# Altium PCB PCB1.PcbDoc (part 2 of 2)
Units mil, origin at the board's own origin, x right, y up, seen from the top; angles counter-clockwise.
Board outline 3937.01 x 3543.31 mil, 2 copper layers (Top Layer, Bottom Layer); 171 components, 150 nets, 633 pads, 245 vias.
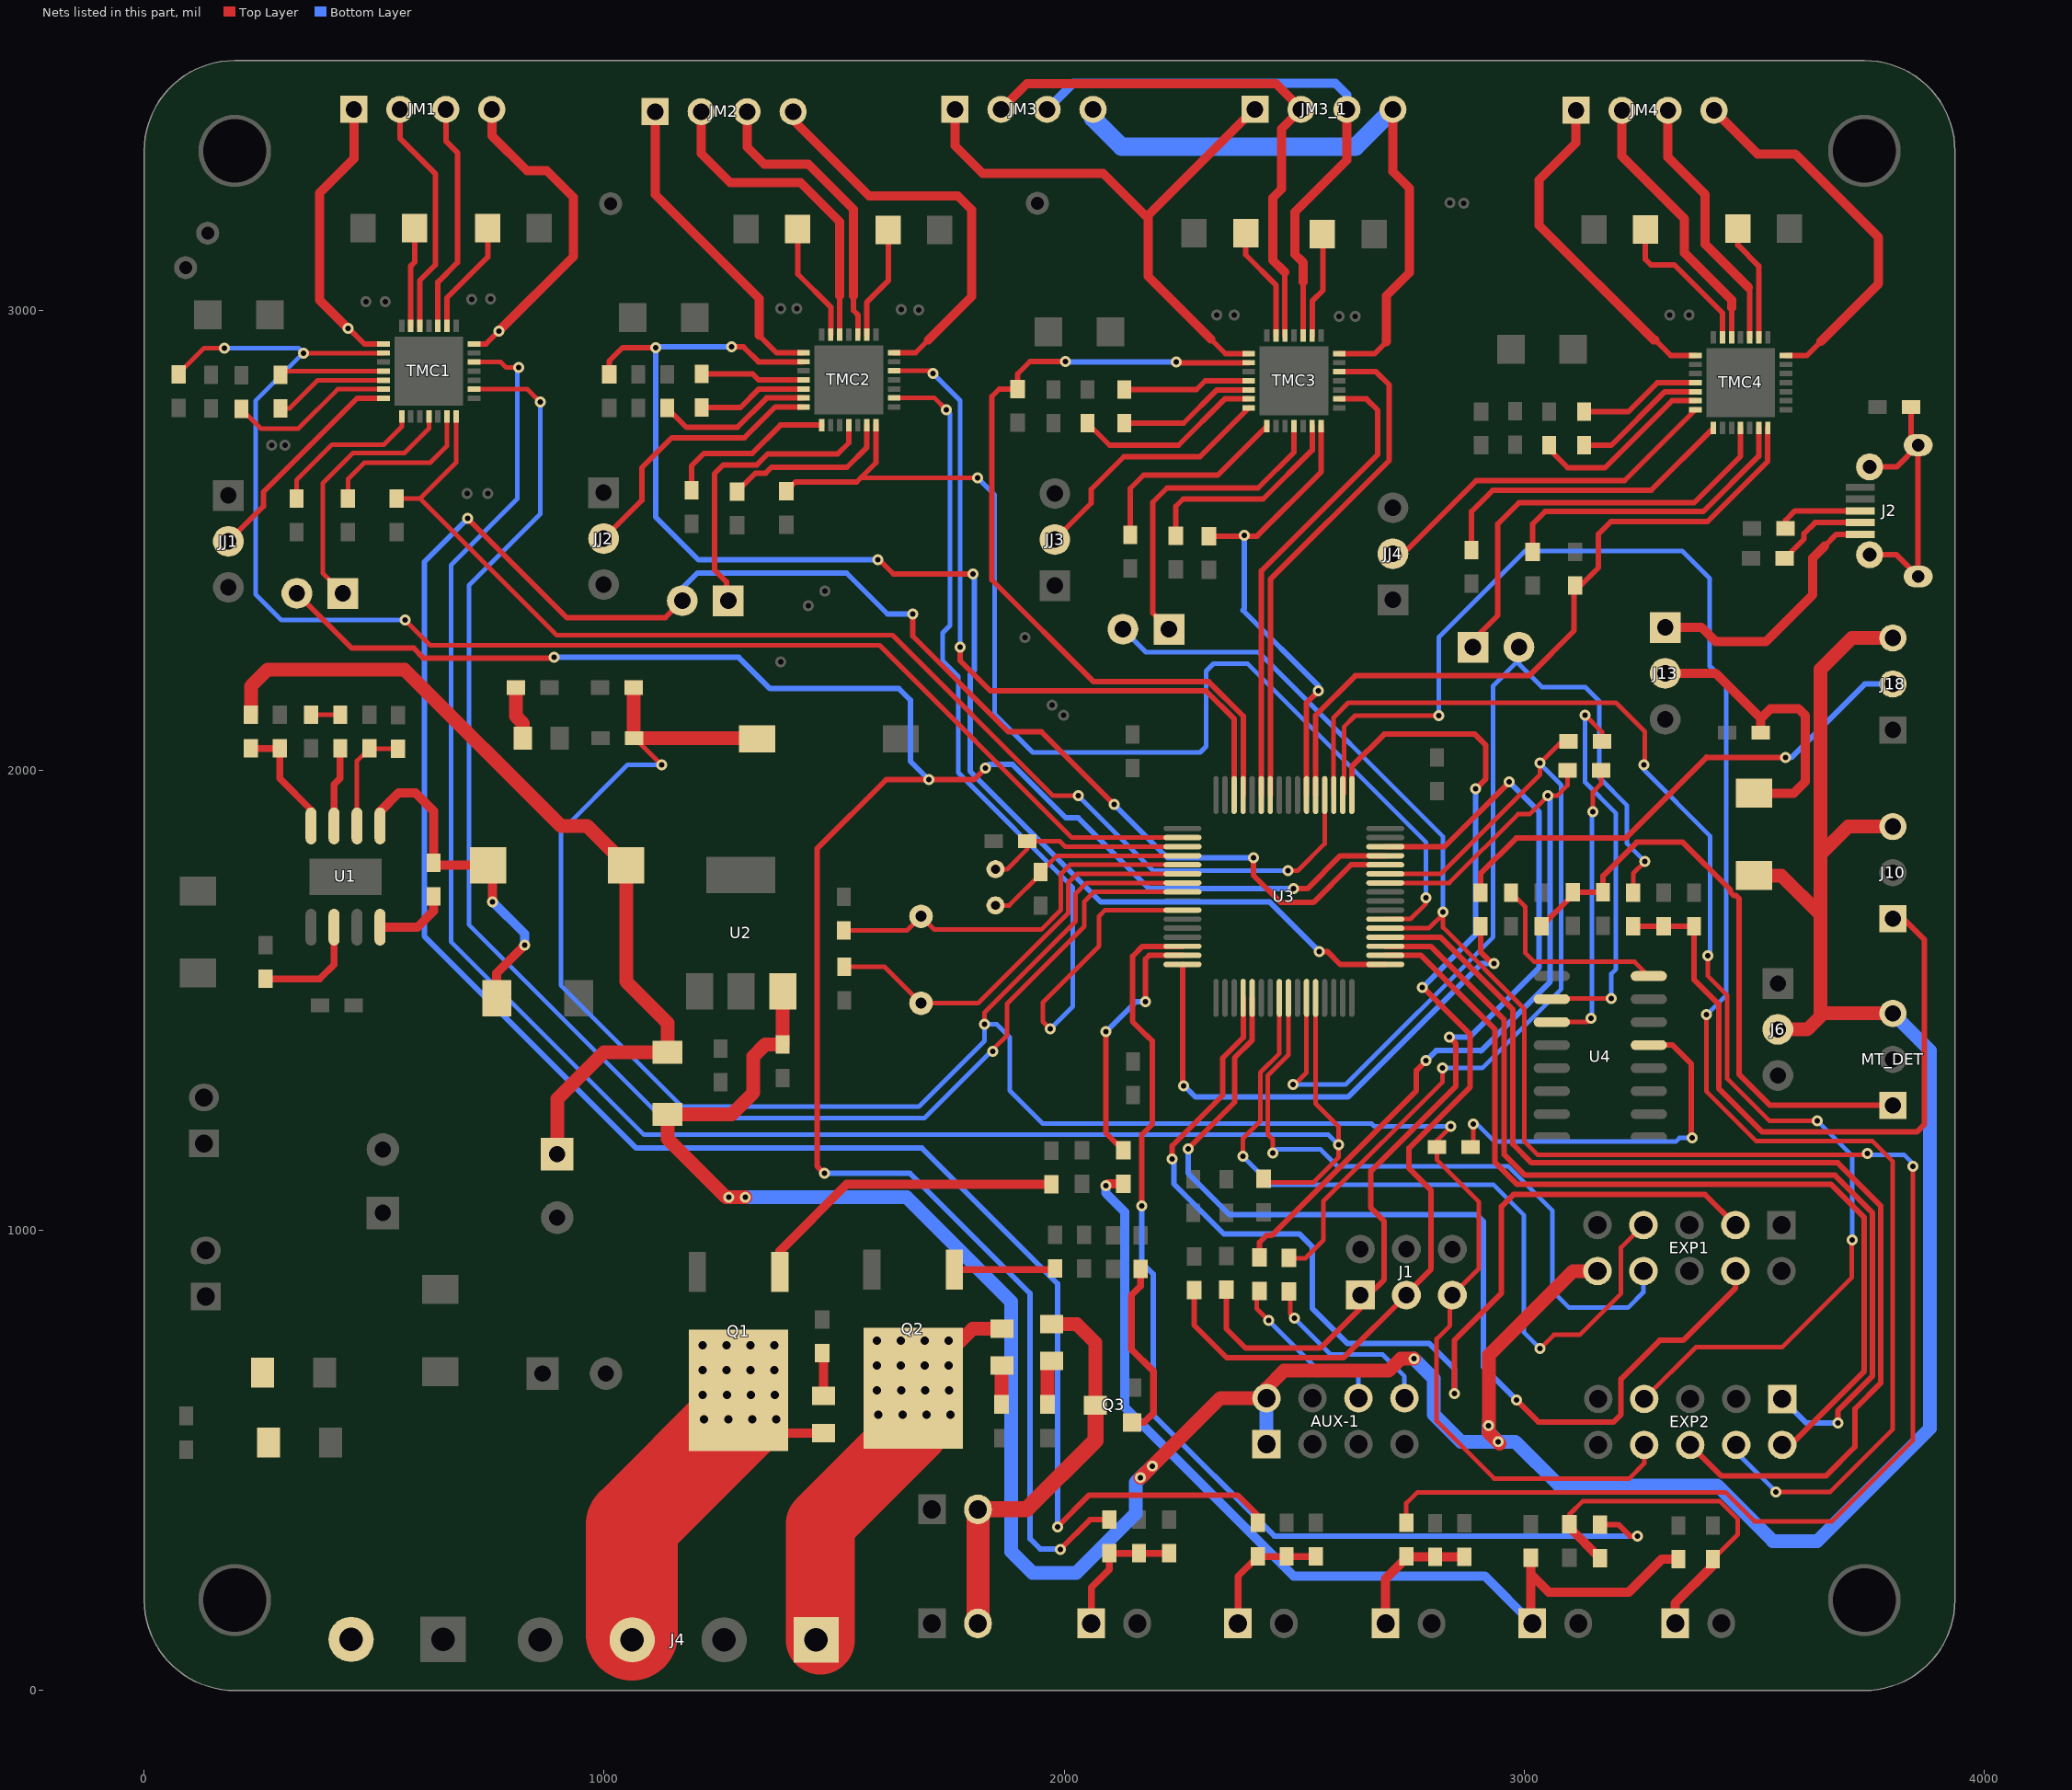
[diagram p2: the nets of this part, all layers, seen from the top]

## Via types
v1: diameter 24, hole 12, Top Layer to Bottom Layer, 177 vias
v2: diameter 36, hole 18, Top Layer to Bottom Layer, 68 vias

## Nets (pads, with @x,y where several pads share a name; then routed paths per layer and width w, separated by ;. In a path a pad name is that pad's centre, name@x,y a point inside that pad or via, vN(x,y) a via of type N, cw(c..) or ccw(c..) an arc to the next point about the centre after c; other vN are vias at no path point) (continued)
LCD_D6: EXP1.7 U3.24 | length 1740.6
  Top Layer w10: v1(2389,1161) 2389,1200 2427,1238 2427,1343.63 2468.16,1384.78 U3.24@2468.16,1505.53 ; v1(3035,743) 3065,773 3121,773 3211,863 3211,962.97 EXP1.7@3259.84,1011.81
  Bottom Layer w10: v1(2389,1161) 2451,1099 2934,1099 3000,1033 3000,778 v1(3035,743)
LCD_D7: EXP1.8 U3.25 | length 1474.8
  Top Layer w10: v1(2454,1168) 2454,1198 2443,1209 2443,1337 2487.84,1381.84 U3.25@2487.84,1505.53
  Bottom Layer w10: v1(2454,1168) 2462,1176 2558,1176 2595,1139 2966,1139 3062,1043 3062,868 3098,832 3226,832 3259.84,865.84 EXP1.8@3259.84,911.81
LCD_EN: EXP1.3 U3.20 | length 2375.4
  Top Layer w12: v1(2235,1155) 2235,1184 2345,1294 2345,1375 2389.42,1419.42 U3.20@2389.42,1505.53 ; v1(2849,645) 2849,761.78 2951,863.78 2951,1052 2977,1078 3393.65,1078 EXP1.3@3459.84,1011.81
  Bottom Layer w12: v1(2235,1155) 2239,1151 2239,1101 2348,992 2512,992 2540,964 2540,830 2616,754 2794,754 2849,699 v1(2849,645)
LCD_RS: EXP1.4 U3.21 | length 2240.3
  Top Layer w12: v1(2270,1177) 2270,1178 2371,1279 2371,1375.54 2409.1,1413.65 U3.21@2409.1,1505.53 ; v1(2984,631) 3031,584 3195,584 3211,600 3211,677 3295,761 3346,761 3459.84,874.84 EXP1.4@3459.84,911.81
  Bottom Layer w12: v1(2270,1177) 2270,1124 2360,1034 2897,1034 2912,1019 2912,703 v1(2984,631)
NetAUX-1_6: AUX-1.6 R28.2 | length 388.1
  Top Layer w10: R28.2@2419,868 2419,830 v1(2445,804)
  Top Layer w12: AUX-1.6@2619.57,635.43 AUX-1.6@2640.16,635.43
  Bottom Layer w10: v1(2445,804) 2545,704 2619,704 2640.16,682.84 AUX-1.6@2640.16,635.43
NetAUX-1_8: AUX-1.8 R29.2 | length 402.5
  Top Layer w10: R29.2@2486,866.5 2492,860.5 2492,818 v1(2501,809)
  Bottom Layer w10: v1(2501,809) 2580,730 2693,730 2740.16,682.84 AUX-1.8@2740.16,635.43
NetC3_1: C3.1 U1.8 | length 162.6
  Top Layer w20: U1.8@512.8,1659.24 594.24,1659.24 629,1694 C3.1@629,1726
NetC3_2: C3.2 D4.2 L1.1 U1.1 | length 763.4
  Top Layer w20: U1.1@512.8,1879.24 512.8,1910.8 553,1951 590,1951 629,1912 C3.2@629,1799 634,1794 L1.1@748,1794 757,1785 v1(757,1714) ; D4.2@766.44,1505 766.44,1559.44 v1(827,1620)
  Bottom Layer w20: v1(757,1714) 757,1715 827,1645 v1(827,1620)
NetC4_1: C4.1 F3.1 L1.2 R3.1 | length 1915.3
  Top Layer w30: R3.1@232,2121 232,2183 268,2219 566,2219 906,1879 963,1879 L1.2@1048,1794 1048,1541 1138,1451 F3.1@1138,1387 999,1387 898,1286 C4.1@898,1165.8
NetC9_1: C9.1 U1.3 | length 174.5
  Top Layer w15: U1.3@412.8,1879.24 412.8,1969.8 425.98,1982.98 C9.1@425.98,2048.32
NetC9_2: C9.2 R7.2 | length 63
  Top Layer w10: R7.2@362.98,2121.32 C9.2@425.98,2121.32
NetC15_2: C15.2 U3.6 Y1.2 | length 923.4
  Top Layer w10: C15.2@1522,1573 1610.02,1573 Y1.2@1689,1494.02 1813.02,1494.02 2009,1690 2009,1756 2028.21,1775.21 U3.6@2257.53,1775.21
NetC16_2: C16.2 U3.5 Y1.1 | length 865.7
  Top Layer w10: C16.2@1521,1652 1658,1652 Y1.1@1689,1683 1718,1654 1950.37,1654 1993,1696.63 1993,1775 2012.9,1794.9 U3.5@2257.53,1794.9
NetC17_2: C17.2 U3.4 Y2.2 | length 452.4
  Top Layer w10: Y2.2@1851,1706.63 1880.63,1706.63 C17.2@1951,1777 ; C17.2@1949,1779 1984.58,1814.58 U3.4@2257.53,1814.58
NetC18_2: C18.2 U3.3 Y2.1 | length 446.2
  Top Layer w10: Y2.1@1851,1785.37 1876.37,1785.37 1920.5,1829.5 C18.2@1920.5,1846 1991,1846 2002.73,1834.27 U3.3@2257.53,1834.27
NetC20_2: C20.2 U4.16 | length 433.4
  Top Layer w10: C20.2@2971.88,1734.42 3003,1703.3 3003,1603 3022,1584 3240.31,1584 U4.16@3271.35,1552.95
NetC21_1: C21.1 U4.13 | length 818.1
  Top Layer w10: C21.1@2884,1181 2890,1187 v1(2890,1231)
  Top Layer w12: U4.13@3271.35,1402.95 3323.05,1402.95 3364,1362 v1@3364,1201
  Bottom Layer w10: v1(2890,1231) 2898,1231 2936,1193 3330,1193 3338,1201 v1(3366,1201)
NetC24_1: C24.1 MT_DET.3 R26.2 R27.1 | length 1327.6
  Top Layer w12: R27.1@3038.25,1661.42 3106,1729.17 R26.2@3106,1735 C24.1@3172,1735 3172,1771 3245,1844 3345,1844 3448.63,1740.37 3448.63,1735.18 3455.66,1728.15 3460.85,1728.15 3468,1721 3468,1339 3535,1272 MT_DET.3@3802,1272
NetC29_1: C29.1 R38.2 R41.1 TB.2 | length 2129.2
  Top Layer w20: v1(2091,1097) 2095,1101 R41.1@2129,1101 ; R38.2@3015,288.5 3015,253 ; TB.2@3018.01,145.67 3015,148.68 3015,253 ; C29.1@3335.65,286.01 3300.01,286.01 3228,214 3054,214 3015,253
  Bottom Layer w20: v1(2091,1097) 2091,1081 2132,1040 2132,616 2499,249 2914.68,249 TB.2@3018.01,145.67
NetC30_1: C30.1 R39.2 R42.1 TH1.2 | length 799.6
  Top Layer w10: R39.2@3098.65,362.01 3098.65,382.65 3128,412 3425,412 3465,372 3465,339.5 C30.1@3411,285.5
  Top Layer w20: R39.2@3098.65,362.01 3098.65,354.35 R42.1@3165,288 ; TH1.2@3328.9,146 3328.9,189.9 3411,272 C30.1@3411,285.5
NetC34_2: C34.2 J2.6 | length 624.7
  Top Layer w12: J2.6@3751.47,2468.94 3809.74,2468.94 J2.6@3856.98,2421.69 J2.6@3856.98,2707.13 ; J2.6@3751.47,2659.88 3809.74,2659.88 J2.6@3856.98,2707.13 ; C34.2@3842,2790 3842,2722.11 J2.6@3856.98,2707.13
NetCC3_1: CC3.1 TMC1.5 | length 250
  Top Layer w10: CC3.1@296,2787 316,2787 377.32,2848.31 TMC1.5@520.57,2848.31
NetCC3_2: CC3.2 TMC1.4 | length 227.9
  Top Layer w10: CC3.2@296,2860 304,2868 TMC1.4@520.57,2868
NetCC4_1: CC4.1 TMC1.6 | length 362.9
  Top Layer w10: CC4.1@211,2786 254,2743 335,2743 420.63,2828.63 TMC1.6@520.57,2828.63
NetCC5_1: CC5.1 TMC1.8 | length 339.6
  Top Layer w10: CC5.1@331,2591 331,2631 408,2708 521,2708 559.94,2746.94 TMC1.8@559.94,2769.57
NetCC8_1: CC8.1 TMC2.5 | length 238.3
  Top Layer w12: CC8.1@1212,2789 1296.37,2789 1336.68,2829.31 TMC2.5@1433.57,2829.31
NetCC8_2: CC8.2 TMC2.4 | length 227
  Top Layer w12: CC8.2@1212,2862 1323,2862 1336,2849 TMC2.4@1433.57,2849
NetCC9_1: CC9.1 TMC2.6 | length 340.3
  Top Layer w12: CC9.1@1137,2788 1179,2746 1290,2746 1353.63,2809.63 TMC2.6@1433.57,2809.63
NetCC10_1: CC10.1 TMC2.8 | length 359.6
  Top Layer w12: CC10.1@1190,2622 1190,2662 1217,2689 1322,2689 1383.57,2750.57 TMC2.8@1472.94,2750.57
NetCC13_1: CC13.1 TMC3.5 | length 300.5
  Top Layer w12: CC13.1@2131,2755 2260,2755 2332.32,2827.31 TMC3.5@2401.57,2827.31
NetCC13_2: CC13.2 TMC3.4 | length 278.4
  Top Layer w12: CC13.2@2131,2828 2288,2828 2307,2847 TMC3.4@2401.57,2847
NetCC14_1: CC14.1 TMC3.6 | length 412.1
  Top Layer w12: CC14.1@2051,2755 2099,2707 2249,2707 2349.63,2807.63 TMC3.6@2401.57,2807.63
NetCC15_1: CC15.1 TMC3.8 | length 454.1
  Top Layer w12: CC15.1@2144,2512 2144,2613 2173,2642 2334.37,2642 TMC3.8@2440.94,2748.57
NetCC18_1: CC18.1 TMC4.5 | length 289.8
  Top Layer w12: CC18.1@3131,2707 3190,2707 3306.31,2823.31 TMC4.5@3372.57,2823.31
NetCC18_2: CC18.2 TMC4.4 | length 267.7
  Top Layer w12: CC18.2@3131,2780 3227,2780 3290,2843 TMC4.4@3372.57,2843
NetCC19_1: CC19.1 TMC4.6 | length 397.3
  Top Layer w12: CC19.1@3053,2700 3095,2658 3176,2658 3321.63,2803.63 TMC4.6@3372.57,2803.63
NetCC20_1: CC20.1 TMC4.8 | length 685.2
  Top Layer w12: CC20.1@2886,2479 2886,2563 2932,2609 3276.37,2609 TMC4.8@3411.94,2744.57
NetD3_A: D3.A R1.1 | length 116.7
  Top Layer w30: R1.1@807.87,2180.37 807.87,2118.13 823.36,2102.64 D3.A@823.36,2070.13
NetD8_A: D8.A R49.2 | length 94.2
  Top Layer w20: R49.2@1474,733 1477,730 D8.A@1477,640
NetD8_K: D8.K J4.3 Q1.2 | length 849
  Top Layer w20: Q1.2@1292.24,652.13 1310.68,633.68 1384.36,560 D8.K@1477,560
  Top Layer w200: J4.3@1060.63,122 1060.63,360.63 1292.24,592.24 Q1.2@1292.24,652.13
  other v2: 1217,590 1270,590 1322,590 1374,590 1214,642 1267,642 1319,642 1371,642 1214,696 1266,696 1318,696 1370,696 1214,750 1266,750 1318,750 1370,750
NetD9_A: D9.A R50.2 | length 84.4
  Top Layer w30: R50.2@1864,622 1864,705 D9.A@1865,706
NetD9_K: D9.K J4.1 Q2.2 | length 877.1
  Top Layer w30: Q2.2@1672,657 1801,786 D9.K@1865,786
  Top Layer w150: J4.1@1470,110 1470,363 1672,565 1672,652 Q2.2@1672,657
  other v2: 1596,600 1649,600 1701,600 1753,600 1593,652 1646,652 1698,652 1750,652 1593,706 1645,706 1697,706 1749,706 1593,760 1645,760 1697,760 1749,760
NetD11_A: D11.A R51.2 | length 97.7
  Top Layer w30: R51.2@1964,622 1964,707 D11.A@1973,716
NetD11_K: D11.K FAN.1 J5.1 Q3.3 | length 889.7
  Top Layer w30: D11.K@1973,796 2028,796 2068,756 Q3.3@2068,620
  Top Layer w35: J5.1@1812.7,393.7 1918.7,393.7 2068,543 Q3.3@2068,620
  Top Layer w50: FAN.1@1812.7,145.67 J5.1@1812.7,393.7
NetF1_1: F1.1 F2.1 POWER.2
NetJ2_1: J2.1 J13.1 | length 580.3
  Top Layer w12: 3654,2488 3679.23,2513.23 J2.1@3731,2513.23
  Top Layer w20: J13.1@3307,2311 3386,2311 3417,2280 3526,2280 3628,2382 3628,2462 3654,2488
NetJ2_2: J2.2 R16.2 | length 203.3
  Top Layer w12: R16.2@3567,2461 3609,2503 3609,2515 3632.82,2538.82 J2.2@3731,2538.82
NetJ2_3: J2.3 R17.2 | length 188.5
  Top Layer w12: R17.2@3569,2526 3569,2544 3589.41,2564.41 J2.3@3731,2564.41
NetJC1_1: JC1.1 TMC1.11 | length 564.1
  Top Layer w10: JC1.1@432,2385 388,2429 388,2624 454,2690 566,2690 619,2743 TMC1.11@619,2769.57
NetJC2_1: JC2.1 TMC2.11 | length 671.1
  Top Layer w12: JC2.1@1266,2343 1266,2410 1240,2436 1240,2645 1259,2664 1332,2664 1356,2688 1508,2688 1532,2712 TMC2.11@1532,2750.57
NetJC3_1: JC3.1 TMC3.11 | length 699.2
  Top Layer w12: JC3.1@2228,2307 2193,2342 2193,2583 2224,2614 2422,2614 2500,2692 TMC3.11@2500,2748.57
NetJC4_1: JC4.1 TMC4.11 | length 964.9
  Top Layer w12: JC4.1@2867,2253 2867,2261 2943,2337 2943,2536 2989,2582 3370,2582 3471,2683 TMC4.11@3471,2744.57
NetJJ1_2: JJ1.2 TMC1.7 | length 484.5
  Top Layer w12: JJ1.2@183,2498 259,2574 259,2605 462.94,2808.94 TMC1.7@520.57,2808.94
NetJJ2_2: JJ2.2 TMC2.7 | length 594.6
  Top Layer w12: JJ2.2@999,2504 1082,2587 1082,2658 1147,2723 1305,2723 1371.94,2789.94 TMC2.7@1433.57,2789.94
NetJJ3_2: JJ3.2 TMC3.7 | length 557.6
  Top Layer w12: JJ3.2@1980,2502 2059,2581 2059,2611 2130,2682 2295.63,2682 TMC3.7@2401.57,2787.94
NetJJ4_2: JJ4.2 TMC4.7 | length 787.2
  Top Layer w12: JJ4.2@2715,2471 2737,2471 2896,2630 3218.63,2630 TMC4.7@3372.57,2783.94
NetJM1_1: JM1.1 TMC1.1 | length 625.2
  Top Layer w12: v1(443,2961) 445,2959 446,2960 478.94,2927.06 TMC1.1@520.57,2927.06
  Top Layer w20: v1(443,2961) 381,3023 381,3255 456,3330 JM1.1@456,3437
NetJM1_2: JM1.2 TMC1.26 | length 516.4
  Top Layer w12: JM1.2@556,3437 556,3374 633,3297 633,3099 599.32,3065.31 TMC1.26@599.32,2966.43
NetJM1_3: JM1.3 TMC1.24 | length 498.5
  Top Layer w12: TMC1.24@638.68,2966.43 638.68,3061.69 681,3104 681,3343 656,3368 JM1.3@656,3437
NetJM1_4: JM1.4 TMC1.21 | length 712.8
  Top Layer w12: TMC1.21@717.43,2927.06 743.06,2927.06 v1(771,2955)
  Top Layer w20: JM1.4@756,3437 756,3380 832,3304 875,3304 933,3246 933,3117 v1(771,2955)
NetJM2_1: JM2.1 TMC2.1 | length 691.9
  Top Layer w12: 1337,2946 1374.94,2908.06 TMC2.1@1433.57,2908.06
  Top Layer w20: JM2.1@1111,3432 1111,3252 1337,3026 1337,2946
NetJM2_2: JM2.2 TMC2.26 | length 699
  Top Layer w12: TMC2.26@1512.32,2947.43 1512.32,3031.69
  Top Layer w20: JM2.2@1211,3432 1211,3341 1274,3278 1427,3278 1512.32,3192.69 1512.32,3031.69
NetJM2_3: JM2.3 TMC2.24 | length 640.5
  Top Layer w12: 1542,3032 1542,3000 1551.68,2990.31 TMC2.24@1551.68,2947.43
  Top Layer w20: JM2.3@1311,3432 1311,3355 1348,3318 1444,3318 1542,3220 1542,3032
NetJM2_4: JM2.4 TMC2.21 | length 894.9
  Top Layer w12: TMC2.21@1630.43,2908.06 1677.06,2908.06 1705,2936
  Top Layer w20: JM2.4@1411,3432 1411,3414 1576,3249 1769,3249 1799,3219 1799,3030 1705,2936
NetJM3_1: JM3.1 JM3_1.1 TMC3.1 | length 1310
  Top Layer w12: 2319,2938 2350.94,2906.06 TMC3.1@2401.57,2906.06
  Top Layer w20: JM3.1@1763,3437 1763,3358 1823,3298 2085,3298 2176,3207 2183,3207 ; 2319,2938 2183,3074 2183,3207 ; JM3_1.1@2415,3437 2413,3437 2183,3207
NetJM3_2: JM3.2 JM3_1.2 TMC3.26 | length 1227.3
  Top Layer w12: TMC3.26@2480.31,2945.43 2480.31,3082.69
  Top Layer w20: JM3.2@1863,3437 1919,3493 2461,3493 2515,3439 JM3_1.2@2515,3437 2473,3395 2473,3264 2454,3245 2454,3109 2480.31,3082.69
NetJM3_3: JM3.3 JM3_1.3 TMC3.24 | length 1263.7
  Top Layer w12: TMC3.24@2519.69,2945.43 2519.69,3062.31
  Top Layer w20: 2519.69,3062.31 2519.69,3104.31 2502,3122 2502,3214 2615,3327 JM3_1.3@2615,3437
  Bottom Layer w20: JM3.3@1963,3437 2020,3494 2590,3494 2615,3469 JM3_1.3@2615,3437
NetJM3_4: JM3.4 JM3_1.4 TMC3.21 | length 1384.2
  Top Layer w12: TMC3.21@2598.43,2906.06 2675.06,2906.06 2701,2932
  Top Layer w20: 2701,2932 2701,3032 2751,3082 2751,3266 2715,3302 JM3_1.4@2715,3437
  Bottom Layer w40: JM3.4@2063,3437 2063,3418 2125,3356 2634,3356 JM3_1.4@2715,3437
NetJM4_1: JM4.1 TMC4.1 | length 739.9
  Top Layer w12: 3285,2936 3318.94,2902.06 TMC4.1@3372.57,2902.06
  Top Layer w20: JM4.1@3113,3435 3113,3364 3033,3284 3033,3185 3282,2936 3285,2936
NetJM4_2: JM4.2 TMC4.26 | length 592.3
  Top Layer w12: TMC4.26@3451.31,2941.43 3451.31,3005.69
  Top Layer w20: JM4.2@3213,3435 3213,3335 3349,3199 3349,3125 3451.31,3022.69 3451.31,3005.69
NetJM4_3: JM4.3 TMC4.24 | length 567.2
  Top Layer w12: 3488,3050 3490.69,3047.31 TMC4.24@3490.69,2941.43
  Top Layer w20: JM4.3@3313,3435 3313,3333 3394,3252 3394,3144 3488,3050
NetJM4_4: JM4.4 TMC4.21 | length 839.5
  Top Layer w12: TMC4.21@3569.43,2902.06 3615.06,2902.06 3646,2933
  Top Layer w20: JM4.4@3413,3435 3508,3340 3590,3340 3771,3159 3771,3058 3646,2933
NetQ1_1: Q1.1 R24.1 | length 695.6
  Top Layer w20: Q1.1@1382,910 1382,955 1527.23,1100.23 R24.1@1972.44,1100.23
NetQ2_1: Q2.1 R25.1 | length 219.6
  Top Layer w15: Q2.1@1761.76,914.87 1977.87,914.87 R25.1@1980.32,917.32
NetQ3_2: Q3.2 R40.1 | length 395.9
  Top Layer w15: Q3.2@2148,583 2174,583 2194,603 2194,694 2146,742 2146,859 2166.42,879.42 R40.1@2166.42,916.26
NetR2_1: R2.1 R5.2 U1.2 | length 242.4
  Top Layer w10: U1.2@462.8,1879.24 462.8,2020.8 R5.2@490,2048 491,2047 R2.1@552,2047
NetR3_2: R3.2 R4.2 U1.4 | length 260.3
  Top Layer w15: R3.2@232,2048 R4.2@294.5,2048 ; R4.2@295,2048.5 R4.2@294.5,2048 ; U1.4@362.8,1879.24 362.8,1914.2 294.5,1982.5 R4.2@294.5,2048
NetR6_2: R6.2 U1.6 | length 243.1
  Top Layer w15: R6.2@263.78,1547.24 382.24,1547.24 412.8,1577.8 U1.6@412.8,1659.24
NetR14_1: R14.1 U4.2 | length 850
  Top Layer w10: U4.2@3060.35,1502.95 3061.4,1504 v1(3190,1504) ; v1(3133,2120) 3169.29,2083.71 R14.1@3169.29,2062.99
  Bottom Layer w10: v1(3133,2120) 3133,1974 3200,1907 3200,1568 3190,1558 v1(3190,1504)
NetR15_1: R15.1 U4.3 | length 636.9
  Top Layer w10: U4.3@3060.35,1452.95 3137.95,1452.95 v1(3146,1461) ; v1(3150,1910) 3150,1953.02 3167.49,1970.51 R15.1@3167.49,2000
  Bottom Layer w10: v1(3146,1461) 3148,1463 3148,1908 v1(3150,1910)
NetRR1_1: RR1.1 TMC1.27 | length 216
  Top Layer w12: TMC1.27@579.63,2966.43 579.63,3096.63 588,3105 RR1.1@588,3179
NetRR2_1: RR2.1 TMC1.23 | length 249.2
  Top Layer w12: TMC1.23@658.37,2966.43 658.37,3027.37 746.88,3115.88 RR2.1@746.88,3179
NetRR4_2: RR4.2 TMC1.13 | length 351.6
  Top Layer w10: RR4.2@443,2591 443,2633 479,2669 622,2669 658.37,2705.37 TMC1.13@658.37,2769.57
NetRR6_1: RR6.1 TMC2.27 | length 259.2
  Top Layer w12: RR6.1@1421.12,3177 1421.12,3078.88 1492.63,3007.37 TMC2.27@1492.63,2947.43
NetRR7_1: RR7.1 TMC2.23 | length 246.8
  Top Layer w12: TMC2.23@1571.37,2947.43 1571.37,3018.37 1617.8,3064.8 RR7.1@1617.8,3175
NetRR9_2: RR9.2 TMC2.13 | length 370.5
  Top Layer w12: RR9.2@1289,2606 1329,2646 1351,2646 1364,2659 1528,2659 1571.37,2702.37 TMC2.13@1571.37,2750.57
NetRR11_1: RR11.1 TMC3.27 | length 249.8
  Top Layer w12: RR11.1@2395,3168 2395,3121 2460.63,3055.37 TMC3.27@2460.63,2945.43
NetRR12_1: RR12.1 TMC3.23 | length 233.3
  Top Layer w12: TMC3.23@2539.37,2945.43 2539.37,3020.37 2563,3044 2563,3158.8 RR12.1@2555.8,3166
NetRR14_2: RR14.2 TMC3.13 | length 463.3
  Top Layer w12: RR14.2@2243,2510 2243,2574 2259,2590 2433,2590 2539.37,2696.37 TMC3.13@2539.37,2748.57
NetRR16_1: RR16.1 TMC4.27 | length 333.9
  Top Layer w12: RR16.1@3264,3176 3264,3111 3276,3099 3327,3099 3431.63,2994.37 TMC4.27@3431.63,2941.43
NetRR17_1: RR17.1 TMC4.23 | length 255.5
  Top Layer w12: RR17.1@3464.8,3178 3464.8,3142.2 3510.37,3096.63 TMC4.23@3510.37,2941.43
NetRR19_2: RR19.2 TMC4.13 | length 674.6
  Top Layer w12: RR19.2@3019,2475 3019,2536 3046,2563 3390,2563 3510.37,2683.37 TMC4.13@3510.37,2744.57
PA2: R23.2 U3.16 | length 1172
  Top Layer w12: U3.16@2257.53,1578.36 2257.53,1316.47 v1(2260,1314) ; R23.2@2905.51,1661.42 2905.51,1605.51 2935,1576.02 v1(2935,1580)
  Bottom Layer w12: v1(2260,1314) 2262,1314 2286,1290 2617,1290 2907,1580 v1(2935,1580)
PA2_IO: J18.2 R23.1 | length 1109.3
  Top Layer w12: R23.1@2905.51,1734.42 2905.51,1775.51 2983,1853 3221,1853 3397,2029 3398,2028 v1(3569,2028)
  Bottom Layer w12: v1(3569,2028) 3581,2028 3741,2188 J18.2@3802,2188
RESET: C19.1 C21.2 EXP2.8 J1.5 R9.1 S1.1 U3.7 | length 5266.8
  Top Layer w10: C19.1@1064.59,2071.2 1065.8,2071.2 1066.87,2070.13 v1(1125,2012) ; v1(1827,1448) 1827,1474 2025,1672 2025,1732 2048.53,1755.53 U3.7@2257.53,1755.53 ; v1(2841,1226) 2811,1196 C21.2@2811,1181 2811,1153 2902,1062 2902,917.35 J1.5@2844.09,859.45 2839,854.35 2839,793 2810,764 2810,586 2935,461 3229,461 3261.42,493.42 EXP2.8@3261.42,533.86
  Top Layer w30: C19.1@1064.59,2071.2 R9.1@1064.59,2180.37 ; C19.1@1066.87,2070.13 1330.77,2070.13 S1.1@1332.69,2068.21
  Bottom Layer w10: v1(1125,2012) 1051,2012 906,1867 906,1533 1170,1269 1684,1269 1827,1412 v1(1827,1448) 1854,1448 1882,1420 1882,1304 1954,1232 2669,1232 2675,1226 v1(2841,1226)
RXD1: R14.2 R29.1 U3.43 | length 1946.6
  Top Layer w10: R29.1@2486,939.5 2524.5,939.5 2564,979 2564,1064 2823,1323 v1(2823,1353) ; U3.43@2698.47,1775.21 2819.21,1775.21 3035,1991 v1(3035,2016) 3081.99,2062.99 R14.2@3096.29,2062.99
  Bottom Layer w10: v1(2823,1353) 2909,1353 3081,1525 3081,1968 3035,2014 v1(3035,2016)
SD_CS: EXP2.4 U3.50 | length 3874.4
  Top Layer w10: U3.50@2605.95,1946.47 2608.64,1949.16 2608.64,2094.64 2633,2119 v1(2815,2119) ; v1(3397,1469) 3397,1302 3505,1194 3758,1194 3802,1150 3802,568 3666,432 v1(3548,432)
  Bottom Layer w10: v1(2815,2119) 2815,2290 3002,2477 3344,2477 3404,2417 3404,2226 3405,2226 3440,2191 3440,1512 v1(3397,1469) ; EXP2.4@3461.42,533.86 3461.42,518.58 v1(3548,432)
SD_DET: EXP2.7 U3.51 | length 2885.7
  Top Layer w10: U3.51@2586.27,1946.47 2586.27,2115.27 2618,2147 3200,2147 3263,2084 3263,2014 v1(3261,2012) ; EXP2.7@3261.42,633.86 3373.56,746 3561,746 3713,898 3713,978 v1(3714,979) ; v1(3400,1597) 3400,1553 3442,1511 3442,1330 3534,1238 v1(3638,1238)
  Bottom Layer w10: v1(3261,2012) 3261,2001 3405,1857 3405,1602 v1(3400,1597) ; v1(3638,1238) 3714,1162 v1(3714,979)
SPI2_MISO: EXP2.1 U3.35 | length 2101.6
  Top Layer w12: U3.35@2698.47,1617.73 2797.27,1617.73 2957,1458 2957,1165 3002,1120 3676.28,1120 3758,1038.28 3758,683.72 3683,608.72 v1(3683,582)
  Bottom Layer w12: EXP2.1@3561.42,633.86 3613.28,582 v1(3683,582)
SPI2_MOSI: EXP2.6 U3.36 | length 2449.8
  Top Layer w12: U3.36@2698.47,1637.42 2818.58,1637.42 2976,1480 2976,1187.28 3016.28,1147 3682.28,1147 3776,1053.28 3776,668.72 3719.64,612.36 3719.64,529.64 3657,467 3428.28,467 EXP2.6@3361.42,533.86
SPI2_SCK: EXP2.2 U3.34 | length 2025.9
  Top Layer w12: U3.34@2698.47,1598.05 2775.95,1598.05 2937,1437 2937,1148 2985,1100 3668,1100 3740,1028 3740,694 3579.86,533.86 EXP2.2@3561.42,533.86
SW_CLK: J1.3 R11.2 U3.49 | length 2412.1
  Top Layer w12: R11.2@2283,870 2283,794 2354,723 2607.65,723 J1.3@2744.09,859.45 2744.09,862.09 2798,916 2798,1087 2750,1135 2750,1179 2883,1312 2883,1426 v1@2778,1531 ; U3.49@2625.64,1946.47 2625.64,2008.64 2696,2079 2893,2079 2917,2055 2917,1982 v1(2895,1960)
  Bottom Layer w12: v1(2779,1528) 2895,1644 v1(2895,1960)
SW_DIO: J1.1 R10.2 U3.46 | length 2160.9
  Top Layer w12: R10.2@2353,871 2353,786 2395,744 2557,744 2644.09,831.09 J1.1@2644.09,859.45 2662.45,859.45 2696,893 2696,1020 2667,1049 2667,1129 2852,1314 2852,1406 v1(2838,1420) ; U3.46@2698.47,1834.27 2827.27,1834.27 v1(2968,1975)
  Bottom Layer w12: v1(2838,1420) 2881,1420 3033,1572 3033,1910 v1(2968,1975)
TB: R41.2 U3.15 | length 563.5
  Top Layer w12: v1(2091,1432) 2091,1212 R41.2@2129,1174 ; v1(2177,1497) 2177,1590 2185.05,1598.05 U3.15@2257.53,1598.05
  Bottom Layer w12: v1(2091,1432) 2156,1497 v1(2177,1497)
TH1: R42.2 U3.14 | length 2415.2
  Top Layer w12: v1(2169,1053) 2169,1208 2192,1231 2192,1412 2186,1418 ; U3.14@2257.53,1617.73 2170.73,1617.73 2149,1596 2149,1454 2180,1423 ; R42.2@3165,361 3205,361 3230,336 v1(3247,336) ; 2180,1423 2181,1423 2186,1418 ; 2180,1423 2185,1418 2186,1418
  Bottom Layer w12: v1(2169,1053) 2169,930 2194,905 2194,599 2457,336 v1(3247,336)
TXD1: R15.2 R28.1 U3.42 | length 1845.7
  Top Layer w10: U3.42@2698.47,1755.53 2837.53,1755.53 2987,1905 3012,1905 v1(3052,1945) 3072,1945 3094.49,1967.49 R15.2@3094.49,2000 R15.2@3093.49,2001
  Top Layer w12: R28.1@2419,941 2425,947 2425,974 2440,989 2451,989 2766,1304 2766,1348 v1(2787,1369)
  Bottom Layer w12: v1(2787,1369) 2809,1391 2905,1391 2906,1390 3057,1541 v1@3057,1937 ; v1@3049,1945 v1(3052,1945)
U5V: C22.1 D5.1 J13.2 | length 678.4
  Top Layer w20: J13.2@3307,2211 3417,2211 3515,2113 ; D5.1@3515,1965.21 D5.1@3500,1950.21 3586.21,1950.21 3612,1976 3612,2119 3597,2134 3536,2134 3515,2113 ; C22.1@3515,2082 3515,2113
UART1: RR5.2 TMC1.14 U3.52 | length 2693.7
  Top Layer w10: RR5.2@549,2591 600,2591 ; TMC1.14@678.06,2769.57 678.06,2669.06 600,2591 ; v1(2031,1945) 1976,1945 1627,2294 897,2294 600,2591 ; v1(2487,1782) 2508,1782 2566.58,1840.58 U3.52@2566.58,1946.47
  Bottom Layer w10: v1(2031,1945) 2194,1782 v1(2487,1782)
UART2: RR10.2 TMC2.14 U3.38 | length 2630.8
  Top Layer w10: 1549,2627 1558,2636 v1(1812,2636) ; U3.38@2698.47,1676.79 2752.79,1676.79 2787,1711 v1(2787,1723)
  Top Layer w12: RR10.2@1396,2607 1416,2627 1549,2627 ; 1558,2636 1591.06,2669.06 TMC2.14@1591.06,2750.57
  Bottom Layer w10: v1(1812,2636) 1849,2599 1849,2122 1932,2039 2296,2039 2309,2052 2309,2216 2325,2232 2397.95,2232 2398.47,2232.53 2787,1844 v1(2787,1723)
UART3: RR15.2 TMC3.14 U3.54 | length 1045.8
  Top Layer w12: RR15.2@2315,2509.5 2419.5,2509.5 2559.06,2649.06 TMC3.14@2559.06,2748.57 ; U3.54@2527.21,1946.47 2527.21,2147.21 v1(2553,2173)
  Bottom Layer w12: v1(2392,2511) 2392,2351 2389,2348 2553,2184 v1(2553,2173)
UART4: RR20.2 TMC4.14 U3.53 | length 1556.8
  Top Layer w12: U3.53@2546.9,1946.47 2546.9,2119.9 2633,2206 3011,2206 3109,2304 3109,2400 RR20.2@3111,2402 3123,2402 3162,2441 3162,2514 3189,2541 3399,2541 3530.06,2672.06 TMC4.14@3530.06,2744.57
VCC: AUX-1.1 AUX-1.2 C7.1 D5.2 EXP1.10 F3.2 J6.2 J10.1 J18.1 MT_DET.1 pad.2 pad.3 pad.4 pad.5 pad.16 pad.17 pad.18 U2.3 | length 7768.6
  Top Layer w30: pad.2@1307,1072 pad.3@1271,1072 1265,1072 1138,1199 F3.2@1138,1252 1277,1252 1324,1299 1324,1378 1350.38,1404.38 C7.1@1388.38,1404.38 U2.3@1388.38,1519.61 ; pad.5@2166,462.72 2166.72,462.72 pad.4@2192,488 2339.43,635.43 AUX-1.2@2440.16,635.43 2440.16,657.16 2478,695 2706,695 2732,721 pad.18@2761,721 ; pad.16@2947,537 2924,560 2924,729 3106.81,911.81 EXP1.10@3159.84,911.81 ; D5.2@3500,1771.65 3559.35,1771.65 3645,1686 ; J6.2@3552,1437 3616,1437 3645,1466 ; MT_DET.1@3802,1472 3651,1472 3645,1466 ; J10.1@3802,1878 3705,1878 3645,1818 ; J18.1@3802,2288 3713,2288 3645,2220 3645,1818 ; 3645,1466 3645,1686 ; 3645,1686 3645,1818
  Bottom Layer w30: pad.3@1271,1072 pad.2@1307,1072 1658,1072 1885,845 1885,302 1931,256 2027,256 2156,385 2156,453 pad.5@2166,462.72 pad.4@2192,488 ; AUX-1.1@2440.16,535.43 AUX-1.2@2440.16,635.43 ; pad.18@2761,721 2804,678 2804,600 2863,541 pad.16@2944,541 ; pad.17@2923,576 2923,562 pad.16@2944,541 ; MT_DET.1@3802,1472 3883,1391 3883,570 3638,325 3541,325 3420,446 3076,446 2981,541 pad.16@2944,541
X-: JC1.2 R34.2 U3.45 | length 5089
  Top Layer w12: JC1.2@332,2385 451,2266 586,2266 608,2244 893,2244 v1(891,2246) ; v1(1479,1124) 1463,1140 1463,1830 1613,1980 v1(1706,1980) 1804,1980 v1(1829,2005) ; v1(1992,307) 2056.15,371.15 R34.2@2098.43,371.15 ; v1(2499,1743) 2529,1743 2600.58,1814.58 U3.45@2698.47,1814.58
  Bottom Layer w12: v1(891,2246) 1293,2246 1361,2178 1641,2178 1666,2153 1666,2020 v1(1706,1980) ; v1(1479,1124) 1665,1124 1926,863 1926,330 1948,308 1987,308 1990,305 v1(1992,307) ; v1(1829,2005) 1837,2013 1888,2013 2004,1897 2031,1897 2185,1743 v1(2499,1743)
X-0: C25.1 J7.2 R30.1 R34.1 | length 298.7
  Top Layer w15: J7.2@2059.06,145.67 2059.06,224.06 2098.43,263.43 R34.1@2098.43,298.15 C25.1@2163.39,298.15 R30.1@2228.35,298.15
X_DIR: R8.1 TMC1.19 U3.28 | length 4079.9
  Top Layer w10: TMC1.19@717.43,2887.69 775.32,2887.69 787,2876 v1(814,2876) ; R8.1@2434,1112.5 2442.5,1104 2541.96,1104 2597,1159.04 v1(2597,1186) 2597,1226 2546.9,1276.1 U3.28@2546.9,1505.53
  Bottom Layer w10: v1(814,2876) 811,2873 811,2590 667,2446 667,1628 1087,1208 2575,1208 v1(2597,1186)
X_EN: RR3.1 TMC1.2 U3.2 | length 3277.7
  Top Layer w10: RR3.1@75,2861 74,2862 130,2918 v1(174,2918) ; v1(346,2907.37) TMC1.2@520.57,2907.37 ; v1(567,2327) 622,2272 1599,2272 2017.05,1853.95 U3.2@2257.53,1853.95
  Bottom Layer w10: v1(174,2918) 335.37,2918 v1(346,2907.37) 242,2803.37 242,2383 298,2327 v1(567,2327)
X_STEP: TMC1.16 U3.8 | length 3359.5
  Top Layer w10: TMC1.16@717.43,2828.63 833.37,2828.63 v1(861,2801) ; v1(1845.5,1389) 1845.5,1393.5 1876,1424 1876,1493 2044,1661 2044,1715 2064.84,1735.84 U3.8@2257.53,1735.84
  Bottom Layer w10: v1(861,2801) 861,2557 706,2402 706,1665 1127,1244 1696,1244 1841,1389 v1(1845.5,1389)
Y-: JC2.2 R35.2 U3.44 | length 6210.3
  Top Layer w12: v1(703,2548) 919,2332 1133,2332 JC2.2@1170,2369 ; v1(1671,2340) 1671,2292 1879,2084 1951,2084 v1(2109,1926) ; v1(1986,356) 2054.74,424.74 2377.26,424.74 2421.26,380.74 R35.2@2421.26,364.34 ; v1(2412,1810) 2412,1772 2471,1713 2542,1713 2623.9,1794.9 U3.44@2698.47,1794.9
  Bottom Layer w12: v1(703,2548) 703,2547 609,2453 609,1640 1070,1179 1691,1179 1986,884 v1(1986,356) ; JC2.2@1166,2343 JC2.2@1166,2368 ; JC2.2@1170,2369 1170,2396 1203,2429 1527,2429 1616,2340 v1(1671,2340) ; v1(2109,1926) 2225,1810 v1(2412,1810)
Y-0: C26.1 J8.2 R31.1 R35.1 | length 289.6
  Top Layer w15: J8.2@2377.95,145.67 2377.95,248.03 R35.1@2421.26,291.34 C26.1@2484.25,291.34 R31.1@2547.24,291.34
Y_DIR: TMC2.19 U3.62 | length 1549.4
  Top Layer w10: TMC2.19@1630.43,2868.69 1709.32,2868.69 v1(1715,2863)
  Top Layer w12: v1(1774,2268) 1774,2239 1840,2173 2309,2173 2369.73,2112.27 U3.62@2369.73,1946.47
  Bottom Layer w10: v1(1715,2863) 1774,2804 v1(1774,2268)
Y_EN: RR8.1 TMC2.2 U3.33 | length 3099.3
  Top Layer w12: RR8.1@1011,2861 1011,2890 1040,2919 v1(1112,2919) ; v1(1277,2921) 1303,2921 1335.63,2888.37 TMC2.2@1433.57,2888.37 ; v1(1595,2458) 1598,2458 1629,2427 v1(1802,2427) ; v1(2555,1606) 2573,1606 2600.64,1578.36 U3.33@2698.47,1578.36
  Bottom Layer w12: v1(1277,2921) 1114,2921 v1(1112,2919) 1112,2551 1205,2458 v1(1595,2458) ; v1(1802,2427) 1805,2427 1805,2218 1796,2209 1796,1998 2080,1714 2447,1714 v1(2555,1606)
Y_STEP: TMC2.16 U3.10 | length 2106.9
  Top Layer w10: TMC2.16@1630.43,2809.63 1718.37,2809.63 v1(1744,2784) ; v1(1970,1438) 1954,1454 1954,1496 2076,1618 2076,1683 2089.47,1696.47 U3.10@2257.53,1696.47
  Bottom Layer w10: v1(1744,2784) 1752,2776 1752,2315 1736,2299 1736,2238 1770,2204 1770,1995 2019,1746 2019,1487 v1(1970,1438)
Z+: JC4.2 R37.2 U3.27 | length 2099.3
  Top Layer w10: v1(2498,1317) 2501,1317 2527.21,1343.21 U3.27@2527.21,1505.53 ; R37.2@3237.35,1734.42 3237.35,1776.35 v1(3263,1802)
  Bottom Layer w10: v1(2498,1317) 2612,1317 2933,1638 2933,2184 2984.5,2235.5 JC4.2@2967,2253 ; JC4.2@2990,2241 2990,2230 3039,2181 3133,2181 3164,2150 3164,1984 3224,1924 3224,1841 v1(3263,1802)
Z+0: C28.1 J10.3 R33.1 R37.1 | length 1490.5
  Top Layer w12: R37.1@3237.35,1661.42 R33.1@3303.71,1661.42 C28.1@3370.08,1661.42 3370.08,1544.92 3424,1491 3424,1308 3518,1214 3854,1214 3871,1231 3871,1632 3825,1678 J10.3@3802,1678
Z-: JC3.2 R36.2 U3.37 | length 4482.2
  Top Layer w10: U3.37@2698.47,1657.1 2793.1,1657.1 v1@2824,1688 ; R36.2@2744.09,364.34 2744.09,407.09 2768,431 3438,431 3501,368 3670,368 3846,544 v1(3846,1139) ; v1(2824,1692) v1@2824,1688 ; v1(3747,1167) 3744,1164 3030,1164 3001,1193 3001,1481.47 2824,1658.47 v1@2824,1688
  Bottom Layer w10: JC3.2@2128,2307 2178,2257 2423,2257 2824,1856 v1(2824,1692) v1@2822,1694 ; v1(3747,1167) 3750,1164 3827,1164 3846,1145 v1(3846,1139)
Z-0: C27.1 J9.2 R32.1 R36.1 | length 287.9
  Top Layer w20: J9.2@2699.11,145.67 2699.11,243.11 2746.27,290.27 C27.1@2807.09,290.27 R32.1@2870.08,290.27
Z_DIR: TMC3.19 U3.58 | length 1119.1
  Top Layer w12: U3.58@2448.47,1946.47 2448.47,2415.47 2707,2674 2707,2838 2678.31,2866.69 TMC3.19@2598.43,2866.69
Z_EN: RR13.1 TMC3.2 U3.61 | length 1850
  Top Layer w12: v1(2003,2889) 1926,2889 1899,2862 RR13.1@1899,2829 1859,2829 1843,2813 1843,2414 2064.31,2192.69 2314.77,2192.69 2389.42,2118.04 U3.61@2389.42,1946.47 ; v1(2244,2888) 2245.63,2886.37 TMC3.2@2401.57,2886.37
  Bottom Layer w12: v1(2003,2889) 2004,2888 v1(2244,2888)
Z_STEP: TMC3.16 U3.59 | length 1035.2
  Top Layer w12: U3.59@2428.79,1946.47 2428.79,2433.79 2682,2687 2682,2783 2657.37,2807.63 TMC3.16@2598.43,2807.63
pads on no net: AUX-1.5 AUX-1.7 EXP2.10 J2.4 J13.3 TMC1.9 TMC1.10 TMC1.12 TMC1.17 TMC1.20 TMC1.25 TMC2.9 TMC2.10 TMC2.12 TMC2.17 TMC2.20 TMC2.25 TMC3.9 TMC3.10 TMC3.12 TMC3.17 TMC3.20 TMC3.25 TMC4.9 TMC4.10 TMC4.12 TMC4.17 TMC4.20 TMC4.25 U3.1 U4.7 U4.8 U4.9 U4.10 U4.11 U4.12 U4.14 U4.15

## Polygon pours and split planes (outlines as drawn)
NetF1_1 on Top Layer "Top Layer-No Net" (hatched 90Degree grid 6 track 8, remove dead copper, pour order 2): 551,402 551,46.13 295,40.49 283,263 197,300 197,734 336,734 336,402
+12V0 on Top Layer "Top Layer-No Net" (hatched 90Degree grid 6 track 8, remove dead copper, pour order 4): 372.44,603 372.44,447.77 587,447.77 587,265 769,265 769,33 944,33 944,458 738,458 738,603 652,603 366,603
+12V1 on Top Layer "Top Layer-No Net" (hatched 90Degree grid 6 track 8, remove dead copper, pour order 6): 361,641.96 917,637.62 917,758 487,758 487,900 375,900 91,900 91,788 361,788
GND on Top Layer "111" (solid, pour order 17): 0,196.85 0,3346.46 cw(c196.85,3346.46) 196.85,3543.31 3740.16,3543.31 cw(c3740.16,3346.46) 3937.01,3346.46 3937.01,196.85 cw(c3740.16,196.85) 3740.16,0 196.85,0 cw(c196.85,196.85)
GND on Bottom Layer "222" (solid, pour order 18): 0,196.85 0,3346.46 cw(c196.85,3346.46) 196.85,3543.31 3740.16,3543.31 cw(c3740.16,3346.46) 3937.01,3346.46 3937.01,196.85 cw(c3740.16,196.85) 3740.16,0 196.85,0 cw(c196.85,196.85)

## Other copper
Top Layer:
  pour cut-out: -86,3285 -80,3279 4094,3279 4094,2807 4026,2739 3673,2739 3673,2631 3642,2600 3478,2600 3410,2532 3410,2383 3275,2383 3173,2281 3173,2185 10,2185 -138,2333 -88,2383 -88,3267
Bottom Layer:
  rectangle net NetD8_K: 1181,521 1400,783
  rectangle net NetD9_K: 1565,526 1779,786

## Silkscreen, mask and mechanical layers (free items; w line width, h text height)
Top Overlay:
  text "X" at 256,3452 h100
  text "Y" at 913,3444 h100
  text "Z1" at 2193,3444 h100
  text "Z0" at 1544,3439 h100
  text "E0" at 2882,3436 h100
  text "3V3" at 834,2592 h50
  text "3V3" at 41,2582 h50
  text "GND" at 1823,2578 h50
  text "GND" at 2549,2559 h50
  text "YSPR" at 812,2488 h50
  text "ZSPR" at 1795,2485 h50
  text "XSPR" at 10,2475 h50
  text "ESPR" at 2533,2451 h50
  text "3V3" at 1838,2381 h50
  text "GND" at 833,2380 h50
  text "GND" at 21,2376 h50
  text "3V3" at 2572,2343 h50
  text "Z_DIG_S" at 1838,2295 h60
  text "X_DIG_S" at 280,2274 h60
  text "Y_DIG_S" at 1108,2262 h60
  text "E_DIG_S" at 2601,2247 h60
  text "OFF ON" at 3190,2134 h60 r90
  text "USB_POW" at 3416,2127 h60 r90
  text "-  nepix  +" at 3658,2049 h60 r90
  text "ESTOP  -  +" at 3665,1600 h60 r90
  text "-12/24V+" at 284,1376 h80 r270
  text "-  + BT" at 3461,1344 h60 r90
  text "MTDET  -  +" at 3690,1194 h60 r90
  text "3V3   GND  GND" at 2598,1064 h40
  text "-12/24V+" at 286,1051 h80 r270
  text "SWDIO  SCLK RES" at 2598,1024 h40
  text "EXP1" at 3811,890 h60 r90
  text "AUX" at 2195,779 h60
  text "EXP2" at 3825,511 h60 r90
  text "+12/24V-" at 363,364 h100
  text "+HBED-" at 781,361 h100
  text "+HE0-" at 1221,357 h100
  text "Z-STOP" at 2579,265 h40
  text "Y-STOP" at 2262,263 h40
  text "ETEMP" at 3291,259 h40 r90
  text "X-STOP" at 1927,257 h40
  text "B-MOT" at 2963,256 h40 r90
Bottom Overlay:
  text "+FAN-" at 1621,98 h100 r180
Mechanical 1:
  the board outline again, w10

## Text inside footprints (layer, text, board x,y; h text height)
J1: Top Overlay "6" at 2904.09,939.45 h40; Top Overlay "5" at 2904.09,839.45 h40; Top Overlay "2" at 2544.09,939.45 h40; Top Overlay "1" at 2554.09,839.45 h40
J4: Top Overlay "4" at 829,190 h40 r180; Top Overlay "1" at 1378,193 h40 r180
POWER: Top Overlay "1" at 567,194 h40 r180